# Altium PCB Shuttler_AFE.PcbDoc (part 5 of 5)
Units mil, origin at the board's own origin, x right, y up, seen from the top; angles counter-clockwise.
Board outline 3291.94 x 4295.88 mil, 4 copper layers (TOP, L2, L3, BOTTOM), stack 65.354 mil thick; 521 components, 367 nets, 1536 pads, 871 vias.
Unrouted connection lines stored in the file: 1.
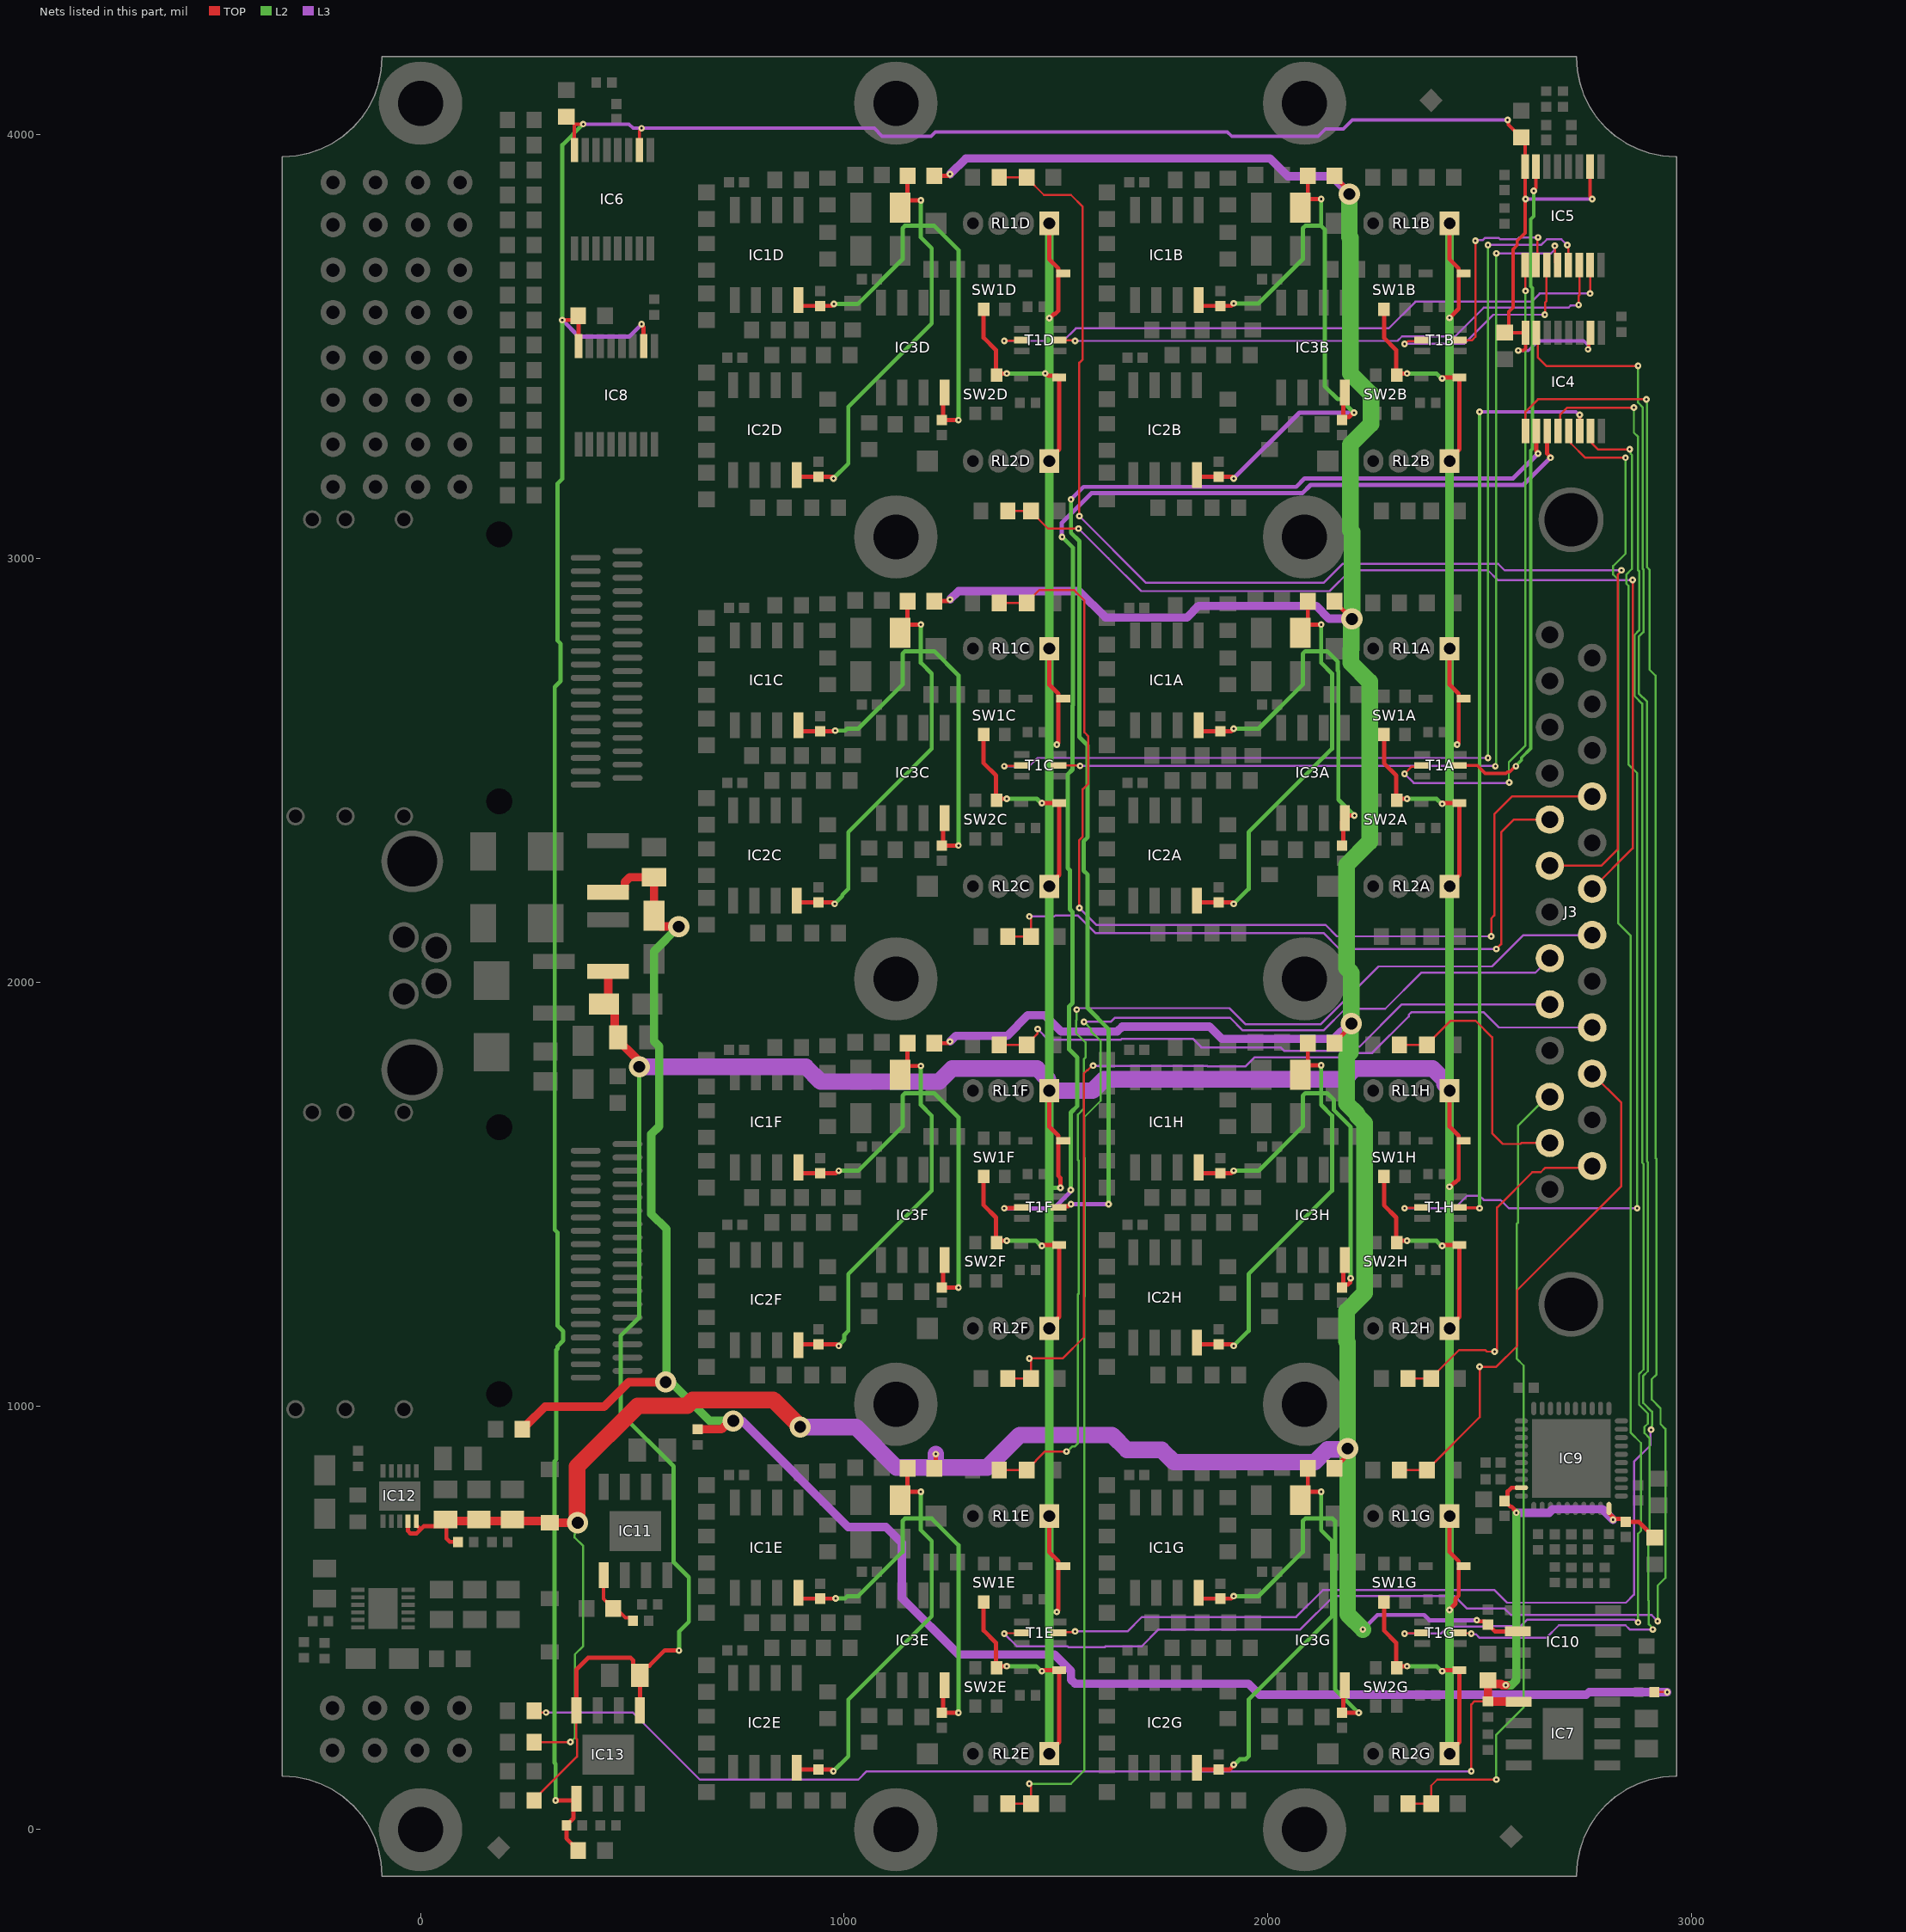
[diagram p7: the nets of this part, all layers, seen from the top]

## Via types
v1: diameter 15.75, hole 5.91, TOP to BOTTOM, tented both sides, 554 vias
v2: diameter 23.62, hole 11.81, TOP to BOTTOM, tented both sides, 300 vias
v3: diameter 50, hole 28, TOP to BOTTOM, tented both sides, 17 vias

## Nets (pads, with @x,y where several pads share a name; then routed paths per layer and width w, separated by ;. In a path a pad name is that pad's centre, name@x,y a point inside that pad or via, vN(x,y) a via of type N, cw(c..) or ccw(c..) an arc to the next point about the centre after c; other vN are vias at no path point) (continued)
OUT_CH4: C5C.2 J3.17 R4C.2 | length 2502.3
  TOP w5: R4C.2@1366.14,2895.67 C5C.2@1431.1,2895.67 1431.1,2896.65 1459.8,2925.35 1543.15,2925.35 1566.77,2901.73 1566.77,2590.16 1576.34,2580.6 1576.34,2468.7 1563.15,2455.51 1563.15,2343.61 1555.12,2335.58 v1(1555.12,2175.2) ; v1(2527.35,2108.43) 2527.35,2150.61 2534.68,2157.95 2534.68,2396.89 2576.38,2438.58 J3.17@2765.75,2438.58
  L3 w5: v1(1555.12,2175.2) 1594.88,2135.43 2136.22,2135.43 2163.22,2108.43 v1(2527.35,2108.43)
OUT_CH5: C10C.2 J3.5 R12C.2 | length 1647.7
  TOP w5: R12C.2@1385.83,2108.27 C10C.2@1440.94,2108.27 1440.94,2151.57 v1(1437.01,2155.51) ; v1(2539.35,2078.43) 2551.02,2090.11 2551.02,2354.17 2580.91,2384.06 J3.5@2665.75,2384.06
  L3 w5: v1(1437.01,2155.51) 1496.38,2155.51 1498.5,2157.64 1535.59,2157.64 1535.9,2157.32 1551.78,2157.32 1592.8,2116.3 2131.53,2116.3 2169.39,2078.43 v1(2539.35,2078.43)
OUT_CH6: C5D.2 J3.6 R4D.2 | length 3167.5
  TOP w5: R4D.2@1366.14,3899.61 C5D.2@1431.1,3899.61 1431.1,3898.62 1471.46,3858.27 1535.43,3858.27 1563.15,3830.55 1563.15,3470.27 1555.12,3462.23 v1(1555.12,3100.39) ; J3.6@2665.75,2275 2786.81,2275 2826.46,2314.65 2826.46,2962.7 2834.65,2970.89 v1(2834.65,2972.44)
  L3 w5: v1(1555.12,3100.39) 1712.76,2942.76 2131.53,2942.76 2176.21,2987.44 2544.06,2987.44 2559.06,2972.44 v1(2834.65,2972.44)
OUT_CH7: C10D.2 J3.19 R12D.2 | length 2352.8
  TOP w5: R12D.2@1385.83,3112.2 C10D.2@1440.94,3112.2 1440.94,3111.22 1481.3,3070.87 v1(1553.31,3070.87) ; J3.19@2765.75,2220.47 2861.35,2316.07 v1(2861.35,2949.43)
  L3 w5: v1(1553.31,3070.87) 1623.66,3000.51 1700.94,2923.23 2145.67,2923.23 2194.88,2972.44 2519.68,2972.44 2542.69,2949.43 v1(2861.35,2949.43)
OUT_CH8: C5E.2 J3.20 R4E.2 | length 2575.5
  TOP w5: R4E.2@1366.14,848.43 C5E.2@1431.1,848.43 1431.1,849.41 1474.2,892.5 v1(1525,892.5)
  L3 w5: v1(1548.84,1935.42) 1550.39,1935.42 1553.95,1938.98 1909.44,1938.98 1947.14,1901.28 2125.48,1901.28 2261.6,2037.4 2529.53,2037.4 2603.54,2111.42 J3.20@2765.75,2111.42
  L2 w5: v1(1525,892.5) 1526.55,892.5 1538.98,904.94 1544.7,904.94 1551.77,912.01 1551.77,1263.62 1553.31,1265.15 1553.31,1578.86 1551.77,1580.4 1551.77,1687.91 1565.43,1701.57 1565.43,1818.2 1569.67,1822.44 1569.67,1858.4 1547.4,1880.67 1547.4,1909.96 1548.84,1911.4 v1(1548.84,1935.42)
OUT_CH9: C10E.2 J3.8 R12E.2 | length 3234.2
  TOP w5: R12E.2@1385.83,61.02 C10E.2@1440.94,61.02 1440.94,104.33 v1(1437.01,108.27)
  L3 w5: v1(1566.05,1906.59) 1629.47,1906.59 1639.31,1916.43 1910.77,1916.43 1940.93,1886.28 2131.69,1886.28 2182.85,1937.43 2277.08,1937.43 2362.05,2022.4 2631.26,2022.4 J3.8@2665.75,2056.89
  L2 w5: v1(1437.01,108.27) 1535.43,108.27 1566.77,139.61 1566.77,1257.4 1568.31,1258.94 1568.31,1585.08 1566.77,1586.61 1566.77,1681.69 1605.39,1720.32 1605.39,1861.62 1582.95,1884.07 1582.95,1889.68 v1(1566.05,1906.59)
OUT_CH10: C5F.2 J3.9 R4F.2 | length 1391.5
  TOP w5: R4F.2@1366.14,1852.36 C5F.2@1431.1,1852.36 1431.1,1853.35 1456.69,1878.94 v1(1456.69,1889.76)
  L3 w5: v1(1456.69,1889.76) 1482.43,1864.03 1653,1864.03 1655.68,1866.71 1823.03,1866.71 1843.14,1846.59 2029.83,1846.59 2038.28,1838.15 2111.02,1838.15 2111.57,1837.6 2184.32,1837.6 2194.84,1848.12 2216.49,1848.12 2316.21,1947.83 J3.9@2665.75,1947.83
OUT_CH11: C10F.2 J3.22 R12F.2 | length 2151.4
  TOP w5: R12F.2@1385.83,1064.96 C10F.2@1440.94,1064.96 1440.94,1108.27 v1(1437.01,1112.2) ; v1@1440.94,1112.2 1515.75,1112.2 1565.85,1162.3 1565.85,1784.81 1573.34,1792.3 1574.87,1792.3 1585.96,1803.4 v1(1587.52,1803.4)
  L3 w5: v1(1587.52,1803.4) 1588.57,1802.35 1857.15,1802.35 1858.48,1801.02 1947.2,1801.02 1969.32,1823.15 2104.81,1823.15 2105.36,1822.6 2190.53,1822.6 2201.05,1833.12 2246.5,1833.12 2332.68,1919.29 2332.68,1923.28 2338.54,1929.13 2509.84,1929.13 2545.67,1893.31 J3.22@2765.75,1893.31
OUT_CH12: C5G.2 J3.23 R4G.2 | length 1242.4
  TOP w5: R4G.2@2311.02,848.43 C5G.2@2375.98,848.43 2375.98,849.41 2500,973.43 v1(2500,1092.52) 2539.37,1092.52 2588.58,1141.73 2588.58,1273.18 2834.65,1519.24 2834.65,1715.35 J3.23@2765.75,1784.25
OUT_CH13: C10G.2 J3.11 R12G.2 | length 1932.6
  TOP w5: R12G.2@2330.71,61.02 C10G.2@2385.83,61.02 2385.83,103.91 2400.02,118.11 v1(2539.37,118.11)
  L2 w5: v1(2539.37,118.11) 2539.37,224.13 2604.11,288.87 2604.11,894.42 2603.96,894.58 2603.96,1095.3 2587.35,1111.91 2587.35,1429.31 2590.39,1432.35 2590.39,1660.95 J3.11@2659.17,1729.72
OUT_CH14: C5H.2 J3.12 R4H.2 | length 633.1
  TOP w5: R4H.2@2311.02,1852.36 C5H.2@2375.98,1852.36 2375.98,1853.35 2432.09,1909.45 2490.16,1909.45 2529.53,1870.08 2529.53,1643.7 2554.91,1618.32 2596,1618.32 2598.36,1620.67 J3.12@2665.75,1620.67
OUT_CH15: C10H.2 J3.25 R12H.2 | length 845.5
  TOP w5: R12H.2@2330.71,1064.96 C10H.2@2385.83,1064.96 2385.83,1065.94 2451.77,1131.89 2513.31,1131.89 2517.01,1128.19 2536.02,1128.19 2541.18,1128.19 2541.18,1468.35 2624.61,1551.77 2644.44,1551.77 2654.87,1562.2 2761.81,1562.2 J3.25@2765.75,1566.14
  other v1: 2535.55,1128.19
P3V3: C25.2 C26.2 C28.2 C42.2 C50.2 IC4.10 IC4.16 IC5.10 IC5.16 IC6.10 IC6.16 IC8.10 IC8.16 IC13.1 R65.2 | length 8118.8
  TOP w7.87: IC6.16@363.19,3964.57 363.19,4025.59 v1(383.86,4025.59) ; IC6.10@516.73,3964.57 516.73,4008.7 521.65,4013.62 v1(521.65,4015.75) ; v1(2566.17,4035.59) 2567.68,4034.08 2567.68,4023.86 2597.44,3994.09 2607.28,3994.09 IC5.16@2607.28,3925.2 ; v1(2591.46,3491.18) 2603.66,3491.18 2608.27,3495.79 IC4.16@2608.27,3533.46 C26.2@2559.06,3533.46 2568.9,3543.31 2568.9,3582.68 2578.74,3592.52 2578.74,3730.32 2588.58,3740.16 2588.58,3750 2607.28,3768.7 IC5.16@2607.28,3925.2 ; v1(2608.27,3848.43) 2607.78,3848.92 2607.78,3924.7 IC5.16@2607.28,3925.2 ; v1(2755.91,3494.09) 2757.41,3495.6 2757.41,3529.07 IC4.10@2761.81,3533.46 ; IC5.10@2760.83,3925.2 2760.83,3855.48 2765.75,3850.56 v1(2765.75,3848.43)
  TOP w10: v1(318.72,68.9) IC13.1@363.98,68.9 ; v1(334.65,3562.99) 362.2,3562.99 C42.2@372.05,3572.83 373.03,3571.85 IC8.16@373.03,3501.97 ; IC13.1@367.91,72.83 IC13.1@363.98,68.9 ; C50.2@372.05,-49.21 372.05,-48.23 344.49,-20.67 R65.2@344.49,9.84 344.49,10.63 361.18,27.32 361.18,66.1 IC13.1@363.98,68.9 ; IC8.10@526.57,3501.97 526.57,3546.67
  L3 w7.87: v1(383.86,4025.59) 492.13,4025.59 501.97,4015.75 v1(521.65,4015.75) 1071.03,4015.75 1089.81,3996.97 1205.2,3996.97 1215.53,4007.29 1904.55,4007.29 1914.88,3996.97 2118.85,3996.97 2136.18,4014.29 2177.94,4014.29 2199.23,4035.59 v1(2566.17,4035.59) ; v1(2591.46,3491.18) 2591.57,3491.06 2615.08,3491.06 2637.8,3513.78 2746.06,3513.78 2757.57,3502.28 2757.41,3502.12 2757.41,3495.6 v1(2755.91,3494.09) ; v1(2608.27,3848.43) v1(2765.75,3848.43)
  L3 w10: v1(334.65,3562.99) 374.02,3523.62 492.13,3523.62 v1(521.65,3553.15)
  L2 w10: v1(318.72,68.9) 318.72,155.22 315.85,158.09 315.85,869.28 320.59,874.03 320.59,1132.08 323.47,1134.96 323.47,1140.91 336.59,1154.03 336.59,1176.11 323.22,1189.49 323.22,1299.13 323.47,1299.38 323.47,1409.03 316.77,1415.73 316.77,2697.06 330.81,2711.1 330.81,2798.69 323.47,2806.03 323.47,3177.15 334.65,3188.32 v1(334.65,3562.99) 334.65,3976.38 v1(383.86,4025.59)
P3V3A: C18.1 C21.2 C22.1 C32.2 IC7.1 IC9.9 IC9.20 R6.1 R41.2 | length 3570.8
  TOP w5: R6.1@267.72,280.51 271.8,276.43 v1(296.35,276.43) ; v1(2480.32,137.8) 2480.32,295.28 2488.09,303.05 2498.89,303.05 2499.18,302.76 R41.2@2519.69,302.76 ; C21.2@2903.54,698.82 C21.2@2913.39,688.98
  TOP w10: v1(2586.61,748.03) 2586.61,749.59 2581.26,754.94 2581.26,756.5 2575.4,762.36 2572.28,762.36 C18.1@2559.06,775.59 2566.26,782.8 2566.26,798.17 2575.18,807.09 IC9.9@2598.43,807.09 ; IC9.20@2805.12,757.87 2805.12,747.54 2819.08,733.58 2837.28,733.58 C22.1@2844.49,726.38 2875.98,726.38 2898.7,703.66 2898.7,702.68 2902.56,698.82 C21.2@2903.54,698.82
  TOP w20: v1(2561.63,341.1) 2553.83,341.1 2551.27,343.66 2528.39,343.66 C32.2@2519.69,352.36 R41.2@2519.69,302.76 2520.37,302.07 2591.83,302.07 IC7.1@2592.52,301.38
  L3 w5: v1(296.35,276.43) 501.13,276.43 659.45,118.11 1033.46,118.11 1053.15,137.8 v1(2480.32,137.8)
  L3 w20: v1(2586.61,748.03) 2663.94,748.03 2672.35,756.43 2789.8,756.43 v1(2814.96,731.28)
  L2 w20: v1(2561.63,341.1) 2574.9,341.1 2586.61,352.82 v1(2586.61,748.03)
P5V0: C40.2 C41.1 C51.1 D1A.1 D1B.1 D1C.1 D1D.1 D1E.1 D1F.1 D1G.1 D1H.1 D2A.1 D2B.1 D2C.1 D2D.1 D2E.1 D2F.1 D2G.1 D2H.1 IC13.5 IC13.8 L4.2 R14.1 RL1A.1 RL1B.1 RL1C.1 RL1D.1 RL1E.1 RL1F.1 RL1G.1 RL1H.1 RL2A.1 RL2B.1 RL2C.1 RL2D.1 RL2E.1 RL2F.1 RL2G.1 RL2H.1 SW1A.1 SW1B.1 SW1C.1 SW1D.1 SW1E.1 SW1F.1 SW1G.1 SW1H.1 SW2A.1 SW2B.1 SW2C.1 SW2D.1 SW2E.1 SW2F.1 SW2G.1 SW2H.1 | length 18166.9
  TOP w5: R14.1@267.72,68.9 267.72,70.87 369.09,172.24 369.09,213.06 367.91,214.24 IC13.8@367.91,281.5
  TOP w10: IC13.8@367.91,281.5 367.91,377.76 395.51,405.35 496.19,405.35 502.05,399.5 502.05,379.84 517.91,363.98 IC13.5@517.91,281.5 ; C51.1@517.72,371.06 533.39,386.73 540.28,386.73 576.77,423.23 609.4,423.23 v1(609.99,422.63) ; SW1E.1@1329.33,537.4 1334.65,532.09 1329.33,526.77 1329.33,469.88 1358.26,440.95 1358.26,383.27 SW2E.1@1359.65,381.89 1363.58,385.83 v1(1383.86,385.83) ; SW1F.1@1329.33,1541.34 1334.65,1536.02 1329.33,1530.71 1329.33,1473.82 1358.26,1444.89 1358.26,1387.21 SW2F.1@1359.65,1385.83 1363.58,1389.76 v1(1383.86,1389.76) ; SW1C.1@1329.33,2584.65 1334.65,2579.33 1329.33,2574.02 1329.33,2517.13 1358.26,2488.19 1358.26,2430.51 SW2C.1@1359.65,2429.13 1363.58,2433.07 v1(1383.86,2433.07) ; SW1D.1@1329.33,3588.58 1334.65,3583.27 1329.33,3577.95 1329.33,3521.06 1358.26,3492.13 1358.26,3434.45 SW2D.1@1359.65,3433.07 1363.58,3437.01 v1(1383.86,3437.01) ; v1(1466.54,374.02) 1468.5,375.98 D2E.1@1507.48,375.98 1507.48,206.38 1484.17,183.07 RL2E.1@1484.17,179.13 ; v1(1466.54,1377.95) 1468.5,1379.92 D2F.1@1507.48,1379.92 1507.48,1210.31 1484.17,1187.01 RL2F.1@1484.17,1183.07 ; v1(1466.54,2422.82) 1466.74,2423.02 1507.27,2423.02 D2C.1@1507.48,2423.23 1507.48,2253.62 1484.17,2230.31 RL2C.1@1484.17,2226.38 ; v1(1474.47,3437.12) 1476.03,3437.12 1481.93,3431.22 1503.43,3431.22 D2D.1@1507.48,3427.17 1507.48,3257.56 1484.17,3234.25 RL2D.1@1484.17,3230.31 ; RL1E.1@1484.17,740.16 1484.17,655.2 1505.79,633.58 1505.79,626.1 1509.84,622.05 1505.79,617.99 1505.79,517.6 v1(1501.97,513.78) ; RL1F.1@1484.17,1744.09 1484.17,1659.13 1505.79,1637.52 1505.79,1630.04 1509.84,1625.98 1505.79,1621.93 1505.79,1542.72 1510.59,1537.91 v1(1510.59,1514.84) ; RL1C.1@1484.17,2787.4 1484.17,2702.44 1505.79,2680.83 1505.79,2673.35 1509.84,2669.29 1505.79,2665.24 1505.79,2564.84 v1(1501.97,2561.02) ; v1(1484.17,3567.43) 1485.73,3567.43 1496.46,3578.17 1498.72,3578.17 1505.79,3585.24 1505.79,3669.17 1509.84,3673.23 1505.79,3677.28 1505.79,3684.76 1484.17,3706.38 RL1D.1@1484.17,3791.34 ; SW1G.1@2274.21,537.4 2279.53,532.09 2274.21,526.77 2274.21,469.88 2303.15,440.95 2303.15,383.27 SW2G.1@2304.53,381.89 2308.46,385.83 v1(2328.74,385.83) ; SW1H.1@2274.21,1541.34 2279.53,1536.02 2274.21,1530.71 2274.21,1473.82 2303.15,1444.89 2303.15,1387.21 SW2H.1@2304.53,1385.83 2308.46,1389.76 v1(2328.74,1389.76) ; SW1A.1@2274.21,2584.65 2279.53,2579.33 2274.21,2574.02 2274.21,2517.13 2303.15,2488.19 2303.15,2430.51 SW2A.1@2304.53,2429.13 2308.46,2433.07 v1(2328.74,2433.07) ; SW1B.1@2274.21,3588.58 2279.53,3583.27 2274.21,3577.95 2274.21,3521.06 2303.15,3492.13 2303.15,3434.45 SW2B.1@2304.53,3433.07 2308.46,3437.01 v1(2328.74,3437.01) ; v1(2411.42,374.02) 2413.39,375.98 D2G.1@2452.36,375.98 2452.36,206.38 2429.06,183.07 RL2G.1@2429.06,179.13 ; v1(2411.42,1377.95) 2413.39,1379.92 D2H.1@2452.36,1379.92 2452.36,1210.31 2429.06,1187.01 RL2H.1@2429.06,1183.07 ; v1(2411.42,2421.26) 2413.39,2423.23 D2A.1@2452.36,2423.23 2452.36,2253.62 2429.06,2230.31 RL2A.1@2429.06,2226.38 ; v1(2411.42,3425.2) 2413.39,3427.17 D2B.1@2452.36,3427.17 2452.36,3257.56 2429.06,3234.25 RL2B.1@2429.06,3230.31 ; v1(2429.06,518.51) 2429.06,519.64 2443.11,533.69 2443.11,545.15 2450.67,552.72 2450.67,617.99 2454.72,622.05 2450.67,626.1 2450.67,633.58 2429.06,655.2 RL1G.1@2429.06,740.16 ; v1(2429.06,1517.43) 2430.61,1517.43 2441.35,1528.17 2443.6,1528.17 2450.67,1535.24 2450.67,1621.93 2454.72,1625.98 2450.67,1630.04 2450.67,1637.52 2429.06,1659.13 RL1H.1@2429.06,1744.09 ; RL1A.1@2429.06,2787.4 2429.06,2702.44 2450.67,2680.83 2450.67,2673.35 2454.72,2669.29 2450.67,2665.24 2450.67,2564.84 v1(2446.85,2561.02) ; v1(2429.06,3568.23) 2450.67,3589.85 2450.67,3669.17 2454.72,3673.23 2450.67,3677.28 2450.67,3684.76 2429.06,3706.38 RL1B.1@2429.06,3791.34
  TOP w20: L4.2@442.91,2025.59 442.91,1958.66 C41.1@433.07,1948.82 443.9,1948.82 458.5,1934.21 458.5,1870.08 459.65,1870.08 v3@510.61,1819.12
  L3 w10: RL2E.1@1484.17,179.13 RL2E.1@1484.17,183.07 ; RL2G.1@2429.06,179.13 RL2G.1@2429.06,183.07
  L3 w39.37: v3(516.35,1800.43) 909.35,1800.43 944.35,1765.43 1223.85,1765.43 1254.85,1796.43 1455.35,1796.43 1480.24,1771.54 1480.24,1748.03 RL1F.1@1484.17,1744.09 1586.56,1744.09 1613.81,1771.34 2181.25,1771.34 2206.25,1796.34 2389.06,1796.34 2417.36,1768.04 2417.36,1759.72 2429.06,1748.03 RL1H.1@2429.06,1744.09
  L2 w10: v3(516.35,1800.43) 516.35,1209.43 472.35,1165.43 472.35,982.43 597.35,857.43 597.35,631.43 633.35,595.43 633.35,490.43 610.24,467.32 610.24,422.88 v1(609.99,422.63) ; v1(1383.86,385.83) 1453.17,385.83 1464.98,374.02 v1(1466.54,374.02) 1484.17,374.02 ; v1(1383.86,1389.76) 1453.17,1389.76 1464.98,1377.95 v1(1466.54,1377.95) 1484.17,1377.95 ; v1(1383.86,2433.07) 1454.72,2433.07 1464.98,2422.82 v1(1466.54,2422.82) 1466.61,2422.89 1478.81,2422.89 1484.17,2428.26 ; v1(1383.86,3437.01) 1383.91,3437.06 1474.42,3437.06 v1(1474.47,3437.12) 1476.03,3437.12 1481.75,3442.83 1484.17,3442.83 ; 1482.35,508.43 1484.17,510.26 1487.93,514.02 1501.73,514.02 v1(1501.97,513.78) ; 1484.17,1510.26 1488.76,1514.84 v1(1510.59,1514.84) ; 1484.17,2561.02 v1(1501.97,2561.02) ; v1(2328.74,385.83) 2398.05,385.83 2409.86,374.02 v1(2411.42,374.02) 2429.06,374.02 ; v1(2328.74,1389.76) 2398.05,1389.76 2409.86,1377.95 v1(2411.42,1377.95) 2429.06,1377.95 ; v1(2328.74,2433.07) 2398.05,2433.07 2409.86,2421.26 v1(2411.42,2421.26) 2412.21,2422.06 2422.97,2422.06 2429.06,2428.14 ; v1(2328.74,3437.01) 2398.05,3437.01 2409.86,3425.2 v1(2411.42,3425.2) 2429.06,3425.2 ; 2429.06,2555.14 2434.72,2560.81 2446.63,2560.81 v1(2446.85,2561.02)
  L2 w20: RL2E.1@1484.17,179.13 1484.17,374.02 1484.17,510.26 RL1E.1@1484.17,740.16 RL2F.1@1484.17,1183.07 1484.17,1377.95 1484.17,1510.26 RL1F.1@1484.17,1744.09 RL2C.1@1484.17,2226.38 1484.17,2428.26 1484.17,2561.02 RL1C.1@1484.17,2787.4 RL2D.1@1484.17,3230.31 1484.17,3437.12 1484.17,3442.83 v1(1484.17,3567.43) RL1D.1@1484.17,3791.34 ; RL2G.1@2429.06,179.13 2429.06,374.02 v1(2429.06,518.51) RL1G.1@2429.06,740.16 RL2H.1@2429.06,1183.07 2429.06,1377.95 v1(2429.06,1517.43) RL1H.1@2429.06,1744.09 RL2A.1@2429.06,2226.38 2429.06,2428.14 2429.06,2555.14 RL1A.1@2429.06,2787.4 RL2B.1@2429.06,3230.31 2429.06,3425.2 v1(2429.06,3568.23) RL1B.1@2429.06,3791.34
P5V0A: C36.2 IC11.1 R57.2 | length 146.7
  TOP w7.87: IC11.1@432.28,600.39 432.28,545.08 454.72,522.64 C36.2@454.72,521.65 464.57,511.81 472.44,511.81 484.03,500.22 494.66,500.22 R57.2@501.63,493.25
P12V0_CHA: C1A.1 C2A.1 C3A.1 C4A.1 IC1A.8 IC2A.8 IC3A.8 L1A.1 | length 1939.4
  TOP w10: IC2A.8@1832.87,2192.91 1836.81,2188.98 C2A.1@1883.85,2188.98 1915.35,2188.98 v1(1919.29,2185.04) ; IC1A.8@1836.81,2606.3 1836.81,2599.33 1843.62,2592.52 C3A.1@1887.79,2592.52 1913.39,2592.52 v1(1919.29,2598.43) ; C1A.1@2076.77,2824.8 2076.77,2824.88 C1A.1@2094.48,2842.6 ; L1A.1@2094.48,2899.61 C1A.1@2094.48,2842.6 ; v1(2125.98,2844.49) 2096.37,2844.49 C1A.1@2094.48,2842.6 ; C4A.1@2175.2,2322.83 2178.54,2326.18 2178.54,2362.28 2176.54,2364.28 2175.2,2364.28 2175.2,2379.93 2188.7,2393.43 v1(2204.35,2393.43) ; IC3A.8@2178.54,2364.28 2178.54,2384.45 IC3A.8@2181.89,2387.8
  L2 w10: v1(1919.29,2185.04) 1954.72,2220.47 1954.72,2354.33 2151.57,2551.18 2151.57,2728.35 2125.98,2753.94 2125.98,2781.5 ; v1(1919.29,2598.43) 1978.35,2598.43 2082.68,2702.76 2082.68,2775.64 2088.54,2781.5 2125.98,2781.5 ; v1(2125.98,2844.49) 2125.98,2785.43 2125.98,2781.5 ; v1(2204.35,2393.43) 2166.57,2431.2 2166.57,2734.56 2165.2,2735.94 2165.2,2756.43 2140.13,2781.5 2125.98,2781.5
P12V0_CHB: C1B.1 C2B.1 C3B.1 C4B.1 IC1B.8 IC2B.8 IC3B.8 L1B.1 | length 1615.5
  TOP w10: IC2B.8@1832.87,3196.85 1836.81,3192.91 C2B.1@1883.85,3192.91 1915.35,3192.91 v1(1919.29,3188.98) ; IC1B.8@1836.81,3610.24 1836.81,3603.27 1843.62,3596.46 C3B.1@1887.79,3596.46 1913.39,3596.46 v1(1919.29,3602.36) ; C1B.1@2076.77,3828.74 2076.77,3828.82 C1B.1@2094.48,3846.54 ; L1B.1@2094.48,3903.54 C1B.1@2094.48,3846.54 ; v1(2125.98,3848.43) 2096.37,3848.43 C1B.1@2094.48,3846.54 ; IC3B.8@2181.89,3391.73 2178.54,3388.39 2178.54,3330.12 C4B.1@2175.2,3326.77 2182.4,3333.98 2191.33,3333.98 2201.79,3344.43 v1(2203.35,3344.43)
  L3 w10: v1(1919.29,3188.98) 2074.75,3344.43 v1(2203.35,3344.43)
  L2 w10: v1(1919.29,3602.36) 1978.35,3602.36 2082.68,3706.69 2082.68,3779.58 2088.54,3785.43 2125.98,3785.43 ; v1(2125.98,3848.43) 2125.98,3785.43 ; v1(2203.35,3344.43) 2171.45,3376.33 2165.01,3376.33 2134.22,3407.12 2134.22,3777.2 2125.98,3785.43